# KiCad board pcb.kicad_pcb (continued)
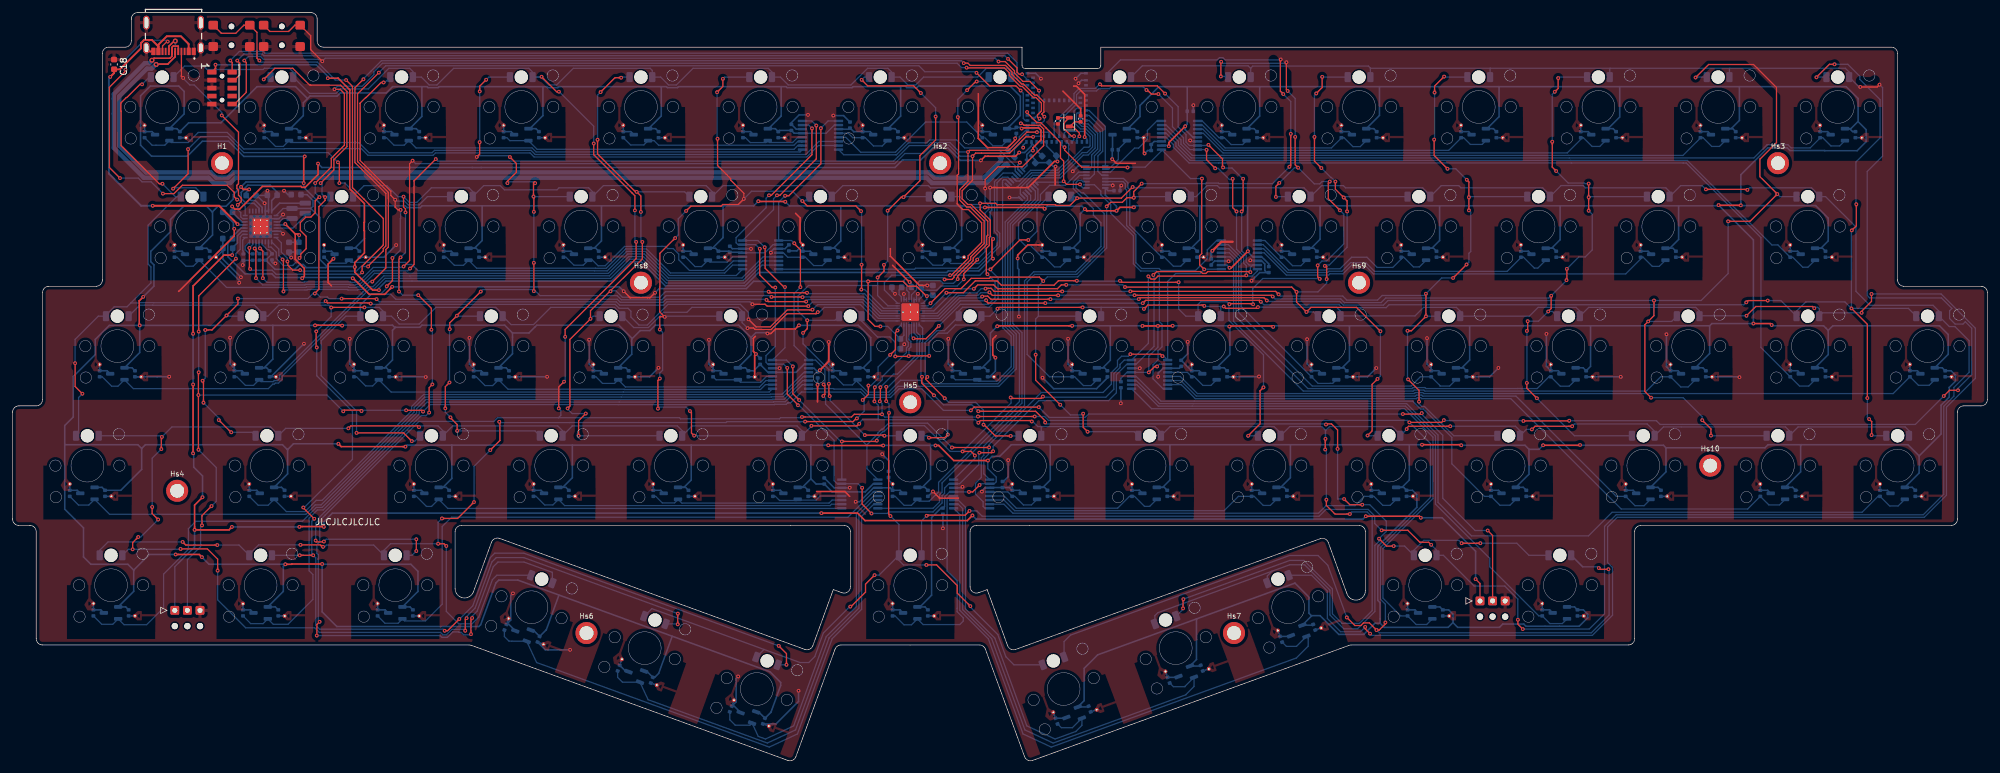
[diagram p0: board, top side]
## Routing (per net, layer and track width the routed paths; a pad name or vN(x,y) marks a point on that pad's centre or on a via; arc(x,y) is an arc through that point) (continued)
/CS11: length 193
  Top w0.2: v1(34.71,52.15) 34.68,52.15 v1(32.73,54.1) ; v1(57.79,73.3) 57.7,73.39 v1(52.23,73.39) ; v1(47.98,74.19) 47.98,74.25 48.63,74.89 48.63,88.02 49.61,89 v1(49.61,89.52) 49.6,89.51 49.48,89.51 49.3,89.7 ; v1(126.32,72.2) 119.77,72.2 119.47,72.5 v1(117.44,72.5) ; v1(39.87,108.23) 41.63,110 44.48,110 47.13,107.34 47.3,107.34 47.34,107.31 52.08,107.31 53.08,106.31 53.08,97.56 50.99,95.47 50.99,93.83 v1(48.91,91.75) ; v1(30.58,68.41) 31.65,68.41 v1(33.96,70.72) 35.77,72.53 v1(35.77,73.4) ; v1(30.3,56.85) 30.3,60.2 v1(30.16,60.34)
  Bottom w0.2: D17.1 49.68,89.6 v1(49.61,89.52) 49.12,90.01 49.12,91.54 v1(48.91,91.75) ; v1(126.32,72.2) 126.96,72.84 134.84,72.84 137.43,70.25 LEDDR1.18 ; v1(52.23,73.39) 50.22,73.39 49.96,73.65 48.84,73.65 48.24,74.25 48.03,74.25 v1(47.98,74.19) 47.93,74.25 47.72,74.25 46.87,73.4 v1(35.77,73.4) ; v1(30.3,56.85) 32.73,54.42 v1(32.73,54.1) ; v1(34.71,52.15) 38.02,52.15 D46.1 ; v1(57.79,73.3) 58.21,72.88 95.83,72.88 96.36,72.35 103.35,72.35 103.88,72.88 117.06,72.88 v1(117.44,72.5) ; D31.1 34.08,70.6 v1(33.96,70.72) ; v1(30.58,68.41) 30.58,60.75 v1(30.16,60.34) ; v1(39.87,108.23) 40.23,108.6 D2.1
/CS12: length 182.1
  Top w0.2: v1(125.98,72.93) 125.96,72.91 119.95,72.91 v1(119.68,73.17) ; v1(61.6,87.49) 61.17,87.49 60.73,87.93 v1(60.73,89.11) 60.05,89.79 60.05,90.45 55.16,95.34 55.16,104.39 55.17,104.4 55.17,104.47 56.05,105.35 56.12,105.35 58.52,107.75 v1(58.9,107.75) ; v1(54.6,52.05) 62.07,52.05 v1(63.38,50.74) ; v1(60.3,79.85) 60.3,76.25 v1(59.4,75.35)
  Bottom w0.2: LEDDR1.19 137.6,70.65 135.01,73.24 126.29,73.24 v1(125.98,72.93) ; D3.1 59.1,107.75 v1(58.9,107.75) ; 56.92,74.1 58.43,74.1 59.4,75.07 v1(59.4,75.35) 59.4,75.34 ; 56.92,74.1 60.02,74.1 60.83,73.29 95.99,73.29 96.47,72.81 103.24,72.81 103.72,73.29 119.57,73.29 v1(119.68,73.17) ; 56.92,74.1 55.2,72.38 ; 56.92,74.1 55.2,72.38 ; v1(54.6,52.05) 54.6,55.53 49,61.13 49,66.7 52.89,70.6 D32.1 ; D32.1 55.2,72.38 ; D32.1 55.2,72.38 ; v1(60.73,89.11) 60.94,88.9 62.2,88.9 62.82,88.28 64.53,88.28 65.85,89.6 D18.1 ; D47.1 63.84,50.74 v1(63.38,50.74) ; v1(61.6,87.49) 61.6,86.15 61.55,86.1 61.55,81.1 v1(60.3,79.85)
/CS13: length 166.6
  Top w0.2: v1(120.47,73.67) 120.48,73.66 125.37,73.66 v1(125.41,73.62) ; v1(82.75,79.08) v1(82.75,74.58) ; v1(73.69,95.89) 74.14,96.34 v1(74.14,98.26) ; v1(74.15,106.32) 74.15,107.15 v1(75.18,108.18) ; v1(70.58,52.37) 70.58,53.39 69.5,54.46 v1(69.5,54.53) ; v1(69.39,68.52) 69.39,69.53 v1(70.53,70.67) 70.53,70.72 v1(74.32,74.51) ; v1(68.69,55.95) 68.69,59.4 v1(69.36,60.07) ; v1(82.95,91.75) 82.81,91.89 82.79,91.89 82.69,91.79 v1(82.69,89.62) 82.75,89.56 v1(82.75,87.18) ; v1(78.94,95.89) 79.97,94.87 79.97,93.47 78.55,92.05 v1(78.55,91.75)
  Bottom w0.2: v1(69.5,54.53) 68.69,55.34 v1(68.69,55.95) ; LEDDR1.20 137.78,71.05 135.17,73.66 125.45,73.66 v1(125.41,73.62) ; v1(70.53,70.67) 70.6,70.6 D33.1 ; v1(73.69,95.89) 73.9,96.1 78.73,96.1 v1(78.94,95.89) ; v1(82.75,79.08) v1(82.75,87.18) ; v1(69.39,68.52) 69.36,68.49 v1(69.36,60.07) ; v1(75.18,108.18) 75.6,108.6 D4.1 ; D19.1 82.71,89.6 v1(82.69,89.62) ; v1(74.32,74.51) 74.64,74.83 82.5,74.83 v1(82.75,74.58) 83.02,74.58 83.73,73.86 95.98,73.86 96.63,73.21 103.08,73.21 103.73,73.86 120.27,73.86 v1(120.47,73.67) ; D48.1 82.93,52.37 v1(70.58,52.37) ; 103.52,73.65 103.34,73.47 103.33,73.47 ; v1(82.95,91.75) 82.95,91.89 82.89,91.95 78.61,91.95 78.55,91.89 v1(78.55,91.75) ; v1(74.14,98.26) 74.15,98.27 v1(74.15,106.32)
/CS14: length 142.3
  Top w0.2: v1(120.02,74.49) 120.19,74.32 v1(126.11,74.32) ; v1(89.85,51.6) 89.85,53.99 v1(90.99,55.13) ; v1(88.11,55.95) 88.47,56.31 88.47,66.91 v1(91.74,70.18) 91.74,71.47 94.82,74.55 v1(94.92,74.55) 94.92,74.65 99.97,79.7 v1(99.97,82.4) ; v1(96.6,108.5) 95.63,108.5 v1(93.34,106.21) ; v1(92.86,98.65) 92.86,96.39 98.89,90.36 v1(99.08,90.36) 99.74,89.69 v1(99.74,87.17)
  Bottom w0.2: v1(126.11,74.32) 126.25,74.18 135.24,74.18 137.97,71.45 LEDDR1.21 ; D20.1 106.69,90.36 v1(99.08,90.36) ; v1(93.34,106.21) 92.86,105.73 v1(92.86,98.65) ; v1(88.11,55.95) 88.11,55.85 88.83,55.13 v1(90.99,55.13) ; 95.01,74.64 95.77,74.64 96.8,73.61 102.75,73.61 103.63,74.49 v1(120.02,74.49) ; 95.01,74.64 v1(94.92,74.55) 95.01,74.64 ; D5.1 96.7,108.6 v1(96.6,108.5) ; v1(99.74,87.17) 99.74,82.63 v1(99.97,82.4) ; D34.1 92.16,70.6 v1(91.74,70.18) ; D49.1 v1(89.85,51.6)
/CS15: length 143.5
  Top w0.2: v1(105.18,83.02) 102.75,80.58 102.75,75.25 102.72,75.22 102.72,71.28 v1(103.52,70.48) 103.48,70.52 102.78,70.52 102.74,70.48 v1(102.74,68.48) ; v1(134.78,78.79) 134.78,74.87 v1(134.73,74.83) ; v1(107.53,55.53) 107.77,55.28 107.77,52.04 v1(108.19,51.62) ; v1(102.44,55.89) 102.44,60.39 v1(102.75,60.7) ; v1(106.92,87.32) 107.68,88.09 112.47,88.09 112.73,88.34 115.2,88.34 v1(116.08,89.23) 116.08,90.14 113.98,92.24 113.98,92.47 111.91,94.54 v1(111.91,98.8) ; v1(112.76,108.32) 112.76,107.12 v1(111.83,106.19) ; v1(134.69,87.3) 133.86,88.13 126.14,88.13 v1(125.36,88.91)
  Bottom w0.2: v1(102.75,60.7) 102.74,60.71 102.74,61.57 103.19,62.02 103.19,68.03 v1(102.74,68.48) ; LEDDR1.22 138.25,71.85 135.27,74.83 v1(134.73,74.83) ; v1(116.08,89.23) 117.31,90.46 123.81,90.46 v1(125.36,88.91) 125.76,88.91 D21.1 ; D50.1 108.21,51.6 v1(108.19,51.62) ; v1(134.78,78.79) 134.78,87.21 v1(134.69,87.3) ; D35.1 103.63,70.6 v1(103.52,70.48) ; D6.1 113.04,108.6 v1(112.76,108.32) ; v1(111.83,106.19) 111.83,98.88 v1(111.91,98.8) ; v1(105.18,83.02) 105.68,83.51 105.68,86.08 v1(106.92,87.32) ; v1(102.44,55.89) 102.69,56.14 106.91,56.14 v1(107.53,55.53)
/CS16: length 107.9
  Top w0.2: v1(137.32,76.75) 138.33,77.76 v1(138.33,78.76) ; v1(138.4,51.6) 138.3,51.7 v1(135.29,51.7) ; v1(146.53,102.34) 146.53,98.62 144.03,96.12 144.03,92.12 v1(141.44,89.53) 141.08,89.53 v1(138.91,87.36) ; v1(129.71,57.9) 129.59,58.02 v1(129.59,59.85) ; v1(144.18,106.07) 143.05,107.19 135.75,107.19 v1(134.78,108.16) ; v1(126.15,69.95) 126.15,68.61 v1(125.48,67.94)
  Bottom w0.2: v1(146.53,102.34) 146.53,103.72 v1(144.18,106.07) ; 137.32,75.47 v1(137.32,76.75) ; 137.32,75.47 137.31,75.48 126.35,75.48 124.69,73.82 124.69,71.41 v1(126.15,69.95) 130.55,69.95 D36.1 ; 137.32,75.47 137.32,73.88 138.95,72.25 LEDDR1.23 ; D51.1 v1(138.4,51.6) ; v1(135.29,51.7) 129.79,57.2 129.79,57.82 v1(129.71,57.9) ; v1(141.44,89.53) 141.51,89.6 D22.1 ; v1(129.59,59.85) 129.59,62.11 125.48,66.22 v1(125.48,67.94) ; v1(138.33,78.76) 138.91,79.34 v1(138.91,87.36) ; D7.1 135.22,108.6 v1(134.78,108.16)
/CS17: length 122.8
  Top w0.2: v1(153.06,107.9) 152.9,107.9 v1(151.52,106.52) ; v1(158.45,51.57) 156.01,51.57 154.22,53.36 v1(154.13,53.36) ; v1(161.24,82.71) 159.9,82.71 v1(155.23,78.04) 155.1,78.04 155.03,77.97 ; v1(150.05,102.25) 150.17,102.13 150.17,93.18 149.95,92.95 149.95,88.44 150.84,87.54 151.75,87.54 153.84,85.45 153.84,82.33 151.69,80.18 151.69,79.76 149.05,77.12 ; v1(147.98,57.55) 144.97,60.56 144.97,60.7 v1(145.22,60.94)
  Bottom w0.2: v1(151.52,106.52) 150.05,105.05 v1(150.05,102.25) ; D23.1 162.63,87.77 162.63,84.09 v1(161.24,82.71) ; LEDDR1.24 138.4,74.76 138.4,75.95 139.57,77.12 153.58,77.12 154.5,78.04 v1(155.23,78.04) 155.23,77.9 156.45,76.68 156.45,73.44 155.03,72.02 150.82,72.02 150.2,71.4 D37.1 147.9,68.3 146.76,68.3 144.87,66.41 144.87,66.31 144.87,61.29 v1(145.22,60.94) ; v1(153.06,107.9) 154.25,107.9 D8.1 ; v1(158.45,51.57) 159.67,51.57 D52.1 ; v1(147.98,57.55) 148.62,56.91 152.89,56.91 154.13,55.67 v1(154.13,53.36)
  vias: v1(148.82,77.12)
/GPIO_X: length 162.3
  Top w0.2: v1(45.55,79.85) 45.75,80.04 45.75,80.47 46.61,81.33 46.61,83.29 45.67,84.22 45.67,85.47 46.55,86.35 47.35,86.35 48.03,87.03 48.03,88.92 48.63,89.52 v1(48.71,89.52) ; v1(151.45,110.1) 151.5,110.05 157.45,110.05 158.25,109.25 158.25,108.85 159.99,107.11 160.29,107.11 162.05,105.35 162.45,105.35 163.33,104.47 163.33,103.22 162.71,102.6 162.71,102.24 162.95,102 v1(163.04,102) ; v1(51.08,106.66) 52,106.66 52.67,105.99 52.67,97.77 50.59,95.69 50.59,94.3 v1(48.04,91.75)
  Bottom w0.2: v1(51.08,106.66) 51.57,107.15 55.5,107.15 57.36,109 57.36,109.44 58.71,110.8 149.95,110.8 150.65,110.1 v1(151.45,110.1) ; v1(48.04,91.75) 48.04,90.19 v1(48.71,89.52) ; v1(163.04,102) 163.04,101.83 162.5,101.3 MDBT1.38 ; PMIC1.10 40.62,81.58 41.04,81.58 41.86,80.75 41.86,79.76 42.97,78.65 44.46,78.65 45.55,79.74 v1(45.55,79.85)
/INT: length 170.2
  Top w0.2: v1(163.79,102.3) 163.38,102.71 163.73,103.06 163.73,104.63 162.61,105.75 162.22,105.75 160.46,107.51 160.15,107.51 158.65,109.01 158.65,109.41 157.62,110.45 152.02,110.45 151.66,110.81 v1(150.99,110.81) ; 43.68,79.35 43.67,79.35 ; 43.68,79.35 43.71,79.37 ; 43.68,79.35 43.67,79.35 ; 43.68,79.35 43.71,79.37 ; 43.67,79.35 v1(43.62,79.3) 43.67,79.35 ; 43.7,79.37 43.71,79.37 ; 43.7,79.37 43.71,79.37 ; 43.7,79.37 43.7,78.68 44.47,77.92 v1(45.64,77.92) ; v1(56.43,78.5) 56.43,78.56 58.85,80.98 58.85,81.35 59.25,81.75 59.25,90.12 54.35,95.01 54.35,106.91 v1(55.69,108.25)
  Bottom w0.2: v1(150.99,110.81) 150.6,111.2 58.55,111.2 56.96,109.61 56.96,109.61 55.69,108.34 v1(55.69,108.25) ; v1(43.62,79.3) 43.62,79.81 42.66,80.77 42.66,82.26 PMIC1.8 ; MDBT1.36 162.61,100.5 163.79,101.68 v1(163.79,102.3) ; v1(56.43,78.5) 55.32,78.5 54.59,77.77 45.79,77.77 v1(45.64,77.92)
/LED_DR_EN: length 47.1
  Top w0.2: v1(153.14,79.59) 153.14,79.51 151,77.37 v1(151,76.46) ; v1(160.05,101.25) 160.25,101.25 160.55,100.95 163.07,100.95 163.68,100.34 163.68,97.71 160.31,94.35 156.45,94.35 154.39,92.29 v1(154.39,90.9)
  Bottom w0.2: LEDDR1.32 144.49,73.83 144.49,74.97 C33.1 144.74,74.72 146.71,74.72 147.37,75.39 149.93,75.39 v1(151,76.46) ; MDBT1.37 160.6,100.9 160.25,101.25 v1(160.05,101.25) ; v1(153.14,79.59) 153.14,79.63 154.39,80.88 154.39,87 155,87.61 155,88.15 154.39,88.76 v1(154.39,90.9)
/LOADSW_CTRL: length 170.6
  Top w0.2: v1(57.1,76.09) 59.25,78.24 59.25,81.18 59.65,81.58 59.65,90.28 54.76,95.18 54.76,105.92 v1(58.14,109.3) ; v1(42.86,79.61) 42.9,79.61 42.99,79.52 v1(42.99,74.52) ; v1(160.02,106.46) 159.29,107.19 155.1,107.19 v1(153.02,109.28)
  Bottom w0.2: v1(57.1,76.09) 56.7,76.09 55.45,74.84 54.84,74.84 54.77,74.77 53.23,74.77 53.16,74.84 46.82,74.84 46.74,74.77 43.24,74.77 v1(42.99,74.52) ; v1(160.02,106.46) 160.45,106.03 160.45,102.02 160.77,101.7 MDBT1.39 ; PMIC1.9 42.26,81.26 42.26,80.26 42.86,79.65 v1(42.86,79.61) ; v1(58.14,109.3) 59.23,110.4 143.87,110.4 144.82,109.45 152.85,109.45 v1(153.02,109.28)
/MUX_B_1: length 32.7
  Bottom w0.2: 140.17,96.25 140.32,96.25 142.21,98.15 145.15,98.15 145.6,98.6 149.87,98.6 151.12,97.35 154.61,97.35 155.01,96.94 156.71,96.94 159.16,94.49 159.16,93.66 MUXA1.14 159.65,93.17 ; MUXB1.8 131.93,96.25 140.32,96.25
/MUX_B_2: length 49.8
  Bottom w0.2: MUXA1.11 158.59,92.11 158.01,92.69 157.16,92.69 156.28,91.81 156.28,84.21 156.71,83.78 156.71,81.71 153.21,78.22 143.35,78.22 143.2,78.07 MUXB2.8
/MUX_B_3: length 65.5
  Bottom w0.2: MUXA1.5 161.61,89.8 161.61,89.04 157.98,85.41 157.98,69.1 157.98,69.1 159.33,67.75 159.33,62.21 156.57,59.46 140.57,59.46 139.21,58.1 135.63,58.1 134.72,59.01 130.41,59.01 130.32,59.1 128.98,59.1 128.96,59.07 MUXB3.8
/MUX_B_4: length 68.5
  Bottom w0.2: MUXB4.8 146.13,40.07 147.15,41.08 147.15,42.22 147.55,42.62 147.55,44.1 160.24,56.79 160.24,67.98 158.78,69.44 158.78,85.08 162.77,89.07 162.77,90.78 162.15,91.4 MUXA1.2
/MUX_B_5: length 13.1
  Bottom w0.2: MUXB5.8 181.65,101.62 180.15,100.12 180.15,98.72 178.74,97.31 178.1,97.31 174.28,93.49 MUXA2.11
/MUX_B_6: length 33.4
  Bottom w0.2: MUXA2.14 176.29,91.99 176.65,91.62 176.65,90.85 176.85,90.65 176.85,85 178.32,83.52 178.32,79.09 179.24,78.18 181.99,78.18 182.3,77.87 187.8,77.87 189.65,79.72 189.65,81.12 191.15,82.62 MUXB6.8
/MUX_B_7: length 41.6
  Bottom w0.2: MUXB7.8 182.63,59.07 181.04,60.66 181.04,62.87 181.84,63.67 181.84,65.1 182.47,65.73 182.47,69.31 182.05,69.73 182.05,77.3 181.57,77.78 179.07,77.78 177.92,78.93 177.92,83.36 174.33,86.95 174.33,88.31 172.75,89.89 172.75,90.47 171.73,91.49 MUXA2.2
/MUX_B_8: length 69.7
  Bottom w0.2: MUXA2.5 169.4,92.99 168.4,91.98 168.4,90.86 171.58,87.68 171.58,86.64 172.78,85.45 172.78,81.66 168.76,77.65 162.09,77.65 160.64,76.19 160.64,56.41 154.18,49.95 154.18,48.49 153.78,48.09 153.78,44.96 152.86,44.04 152.86,42.33 154.07,41.11 154.07,40.37 154.38,40.07 MUXB8.8
/MUXA_SEL: length 22.9
  Top w0.2: v1(169.44,91.55) 167.34,91.55 v1(166.85,92.04) 166.85,95.25 166.35,95.75 166.35,98.21 164.12,100.45 164.12,100.47 163.24,101.35 162.62,101.35 161.05,102.91 v1(161.05,103.05)
  Bottom w0.2: v1(166.85,92.04) 166.7,91.89 162.63,91.89 MUXA1.1 ; v1(161.05,103.05) 161.1,103 MDBT1.41 ; v1(169.44,91.55) 169.44,91.45 169.91,90.99 MUXA2.1
/MUXB_SEL_0: length 201.5
  Top w0.2: v1(182.54,64.26) 182.24,64.56 v1(177.44,64.56) ; v1(188.81,92.47) 188.78,92.44 188.78,80.55 188.45,80.21 188.45,78.76 v1(189.16,78.04) ; v1(167,97.45) 167,97 169.71,94.29 176.94,94.29 v1(177,94.22) ; v1(128.75,59.75) 128.95,59.55 128.95,58.17 v1(128.69,57.92) ; v1(125.06,75.21) 125.06,81.15 124.09,82.12 v1(124.09,82.19) ; v1(149.13,49.73) 154.98,49.73 v1(155.01,49.76) ; v1(128.31,100.48) 128.31,94.81 123.23,89.74 v1(122.63,89.74)
  Bottom w0.2: MUXB1.1 129.45,101.62 v1(128.31,100.48) ; v1(177.44,64.56) 177.12,64.24 176.06,64.24 175.4,63.58 175.4,62.6 174.43,61.63 174.43,59.79 173.11,58.48 163.3,58.48 155.01,50.19 v1(155.01,49.76) 154.91,49.66 154.91,48.66 154.18,47.92 154.18,45.55 MUXB8.1 ; v1(188.81,92.47) 186.99,92.47 MUXB5.1 182.39,96.86 179.81,94.29 177.06,94.29 v1(177,94.22) ; v1(124.09,82.19) 123.66,82.62 MUXB2.1 121.61,88.72 v1(122.63,89.74) ; v1(128.69,57.92) 129.06,57.55 129.06,56.63 134.64,51.05 135.63,50.06 ; v1(125.06,75.21) 124.06,74.2 124.06,65.92 MUXB3.1 127.46,63.62 128.95,62.13 128.95,59.96 v1(128.75,59.75) ; MDBT1.22 166.55,97.8 166.9,97.45 v1(167,97.45) ; MUXB6.1 189.19,78.07 v1(189.16,78.04) 188.49,77.37 184.62,77.37 183.36,76.11 MUXB7.1 182.73,64.26 v1(182.54,64.26) ; v1(149.13,49.73) 145.26,53.6 139.07,53.6 138.12,52.65 137.97,52.65 137.35,52.03 137.35,51.88 135.63,50.16 135.63,50.06 ; MUXB4.1 135.63,46.36 135.63,50.06
/MUXB_SEL_1: length 231.6
  Top w0.2: v1(189.54,97.04) 189.54,95.47 v1(190.91,94.1) ; v1(122.61,75.23) 122.45,75.23 119.47,78.21 119.47,81.47 v1(119.39,81.55) ; v1(124.87,57.27) 123.86,58.29 v1(123.86,62.62) ; v1(127.59,100.9) 127.59,95.6 121.8,89.81 v1(121.34,89.81) ; v1(195.85,77.09) 195.73,76.97 181.82,76.97 181.35,76.49 180.74,76.49 v1(180.3,76.93) ; v1(180,106.54) 180.13,106.54 180.77,105.91 v1(181.9,105.91) ; v1(137.19,50.82) 137.19,50.8 137.08,50.69 v1(131.64,50.69) ; v1(158.44,57.68) 158.59,57.53 163.26,57.53 v1(163.56,57.83) ; v1(152.76,48.45) 152.76,48.5 152.15,49.11 v1(150.81,49.11) ; v1(193.69,92.44) 193.69,87.85 v1(194.3,87.24)
  Bottom w0.2: v1(119.39,81.55) 118.32,82.62 MUXB2.16 120.8,87.53 120.8,89.27 v1(121.34,89.81) ; v1(189.54,97.04) 189.5,97.07 MUXB5.16 186.91,97.07 185.88,98.1 185.88,98.96 184.13,100.71 184.13,103.68 v1(181.9,105.91) ; v1(193.69,92.44) 193.57,92.32 193.16,92.32 191.38,94.1 v1(190.91,94.1) ; MUXB1.16 126.86,101.62 v1(127.59,100.9) ; v1(180,106.54) 179.5,107.05 174.42,107.05 174.12,106.75 172.42,106.75 172.06,106.39 169.5,106.39 168.9,105.8 168.9,104.32 166.15,101.58 MDBT1.23 ; MUXB4.16 v1(131.64,50.69) 131.64,50.63 131.58,50.57 131.57,50.57 v1(124.87,57.27) ; v1(180.3,76.93) 180.3,66.28 MUXB7.16 176.49,63.62 175.8,62.94 175.8,62.44 174.82,61.46 174.82,58.99 173.55,57.72 163.67,57.72 v1(163.56,57.83) ; v1(194.3,87.24) 194.3,81.24 195.43,80.11 195.43,79.04 195.85,78.62 v1(195.85,77.09) 195.98,76.96 196.78,76.96 197.61,77.79 MUXB6.16 ; v1(152.76,48.45) 152.76,47.99 MUXB8.16 ; v1(123.86,62.62) 122.86,63.62 MUXB3.16 122.61,65.59 v1(122.61,75.23) ; v1(137.19,50.82) 137.19,51.11 137.75,51.67 137.75,51.86 138.13,52.25 138.33,52.25 139.28,53.2 144.76,53.2 148.85,49.11 v1(150.81,49.11) 158.51,56.81 158.51,57.61 v1(158.44,57.68)
/MUXB_SEL_2: length 233.5
  Top w0.2: v1(195.34,92.44) 195.34,87.47 v1(195.11,87.24) ; v1(122.98,62.39) 122.98,58.21 124.68,56.51 v1(124.68,56.44) ; v1(196.5,77.6) 196.41,77.69 189.73,77.69 189.43,77.39 188.9,77.39 188.6,77.69 181.63,77.69 v1(181.08,77.14) ; v1(134.86,43.33) 134.86,40.74 v1(136.35,39.25) ; v1(189.83,97.83) 192.07,95.59 192.07,94.32 v1(192.16,94.24) ; v1(120.08,89.81) 120.44,89.81 126.9,96.27 v1(126.9,100.46) ; v1(118.61,81.32) 118.61,77.15 120.61,75.16 v1(121.08,75.16) ; v1(182.96,105.97) 181.73,107.19 172.88,107.19 v1(172.62,107.46) ; v1(155.66,49.13) 155.44,48.91 v1(153.47,48.91)
  Bottom w0.2: v1(118.61,81.32) 117.95,81.97 MUXB2.15 115.15,81.97 114.85,82.27 114.85,83.07 119.62,87.85 119.62,89.35 v1(120.08,89.81) ; v1(153.47,48.91) 153.38,48.82 153.38,47.01 150.34,43.97 MUXB8.15 148.65,43.97 147.95,43.27 147.95,42.46 147.55,42.05 147.55,40.92 146.12,39.49 139.09,39.49 138.85,39.25 v1(136.35,39.25) ; v1(196.5,77.6) 196.5,78.35 196.88,78.72 ; v1(181.08,77.14) 181.2,77.02 181.2,65.8 178.37,62.97 MUXB7.15 176.9,62.97 175.23,61.3 175.23,58.42 173.98,57.18 162.92,57.18 155.66,49.92 v1(155.66,49.13) ; MUXB1.15 126.39,100.97 v1(126.9,100.46) ; v1(124.68,56.44) 124.83,56.44 130.41,50.87 130.41,44.46 130.9,43.97 MUXB4.15 134.22,43.97 v1(134.86,43.33) ; MUXB6.15 196.88,78.72 ; 196.88,78.72 196.32,78.72 195.83,79.21 195.83,80.27 195.11,80.99 v1(195.11,87.24) ; 172.58,107.5 v1(172.62,107.46) 172.56,107.46 171.9,106.79 169.33,106.79 168.5,105.96 168.5,104.54 165.35,101.39 MDBT1.25 ; v1(192.16,94.24) 192.25,94.15 193.58,94.15 195.22,92.51 195.22,92.32 v1(195.34,92.44) ; v1(121.08,75.16) 121.08,65.8 119.6,64.32 119.6,63.27 119.9,62.97 MUXB3.15 122.39,62.97 v1(122.98,62.39) ; v1(182.96,105.97) 185.03,103.9 185.03,100.68 186.28,99.43 186.28,98.27 186.83,97.72 MUXB5.15 189.72,97.72 v1(189.83,97.83)
/NRESET: length 156.2
  Top w0.2: v1(156.52,111.07) 157.56,111.07 159.05,109.58 159.05,109.24 160.38,107.91 161.49,107.91 v1(162.95,106.45) ; SW1.2 40.85,115.84 43.81,115.84 44.81,116.85 SW1.2 47.31,115.19 47.31,112.97 v1(49.16,111.12) ; JTAG1.10 35.23,104.31 37.09,106.17 37.09,110.92 v1(36.78,111.22)
  Bottom w0.2: MDBT1.40 162.3,102.1 162.39,102.18 162.39,102.26 162.77,102.65 162.85,102.65 162.95,102.74 v1(162.95,106.45) ; v1(36.78,111.22) 37.44,111.87 39.38,111.87 39.83,111.43 48.85,111.43 v1(49.16,111.12) 49.64,111.6 155.99,111.6 v1(156.52,111.07)
/SCL: length 189.6
  Top w0.2: v1(147.95,76.44) 149.13,76.44 149.44,76.75 149.44,76.94 152.09,79.59 152.09,80.01 154.24,82.16 154.24,85.71 152,87.94 151.46,87.94 150.35,89.06 150.35,90.72 151.67,92.04 v1(151.67,96.69) 151.94,96.96 158.13,96.96 161.01,99.85 v1(162.62,99.85) ; v1(38.63,76.64) 38.63,81.24 38.51,81.36 v1(38.42,81.36) ; v1(67.18,95.57) 63.73,92.12 63.73,78.81 v1(63.09,78.17)
  Bottom w0.2: v1(162.62,99.85) 164.4,99.85 164.55,99.7 MDBT1.27 ; PMIC1.14 38.62,81.56 v1(38.42,81.36) 38.42,81.28 R3.2 ; 140.48,95.85 139.87,95.24 67.5,95.24 v1(67.18,95.57) ; v1(151.67,96.69) 150.29,96.69 148.78,98.2 145.77,98.2 145.28,97.72 142.35,97.72 140.48,95.85 ; v1(147.95,76.44) 147.68,76.71 141.92,76.71 141.52,76.31 141.52,76.04 141.94,75.62 141.94,74.74 142.3,74.39 LEDDR1.28 ; v1(63.09,78.17) 62.73,77.81 57.28,77.81 55.12,75.65 54.51,75.65 54.43,75.57 53.57,75.57 53.49,75.65 46.48,75.65 46.41,75.57 39.7,75.57 v1(38.63,76.64)
/SDA: length 186.3
  Top w0.2: v1(162,99.09) 160.86,99.09 158.28,96.52 152.89,96.52 v1(152.39,96.02) 152.39,92.2 150.75,90.55 150.75,89.22 151.63,88.34 152.17,88.34 154.81,85.7 154.81,83.45 154.64,83.28 154.64,81.99 152.49,79.84 152.49,79.42 150.04,76.97 v1(150.04,76.5) ; v1(39.72,76.64) 39.73,76.65 39.73,80.92 v1(39.27,81.38) ; v1(62.07,78.5) 63.02,79.45 63.02,94.84 v1(63.5,95.32)
  Bottom w0.2: v1(162,99.09) 162.1,99.2 MDBT1.29 ; v1(39.72,76.64) 40.39,75.97 46.24,75.97 46.32,76.05 53.65,76.05 53.73,75.97 54.27,75.97 54.35,76.05 54.95,76.05 57.25,78.35 61.92,78.35 v1(62.07,78.5) ; v1(152.39,96.02) 150.4,96.02 148.62,97.8 145.93,97.8 144.59,96.46 141.65,96.46 140.04,94.84 63.97,94.84 v1(63.5,95.32) ; LEDDR1.29 142.7,74 143.49,74.79 143.49,75.69 144.04,76.24 147.3,76.24 147.71,75.83 149.37,75.83 v1(150.04,76.5) ; PMIC1.13 39.12,81.53 v1(39.27,81.38) 39.34,81.38 R4.2